# KiCad board Mun.kicad_pcb (continued)
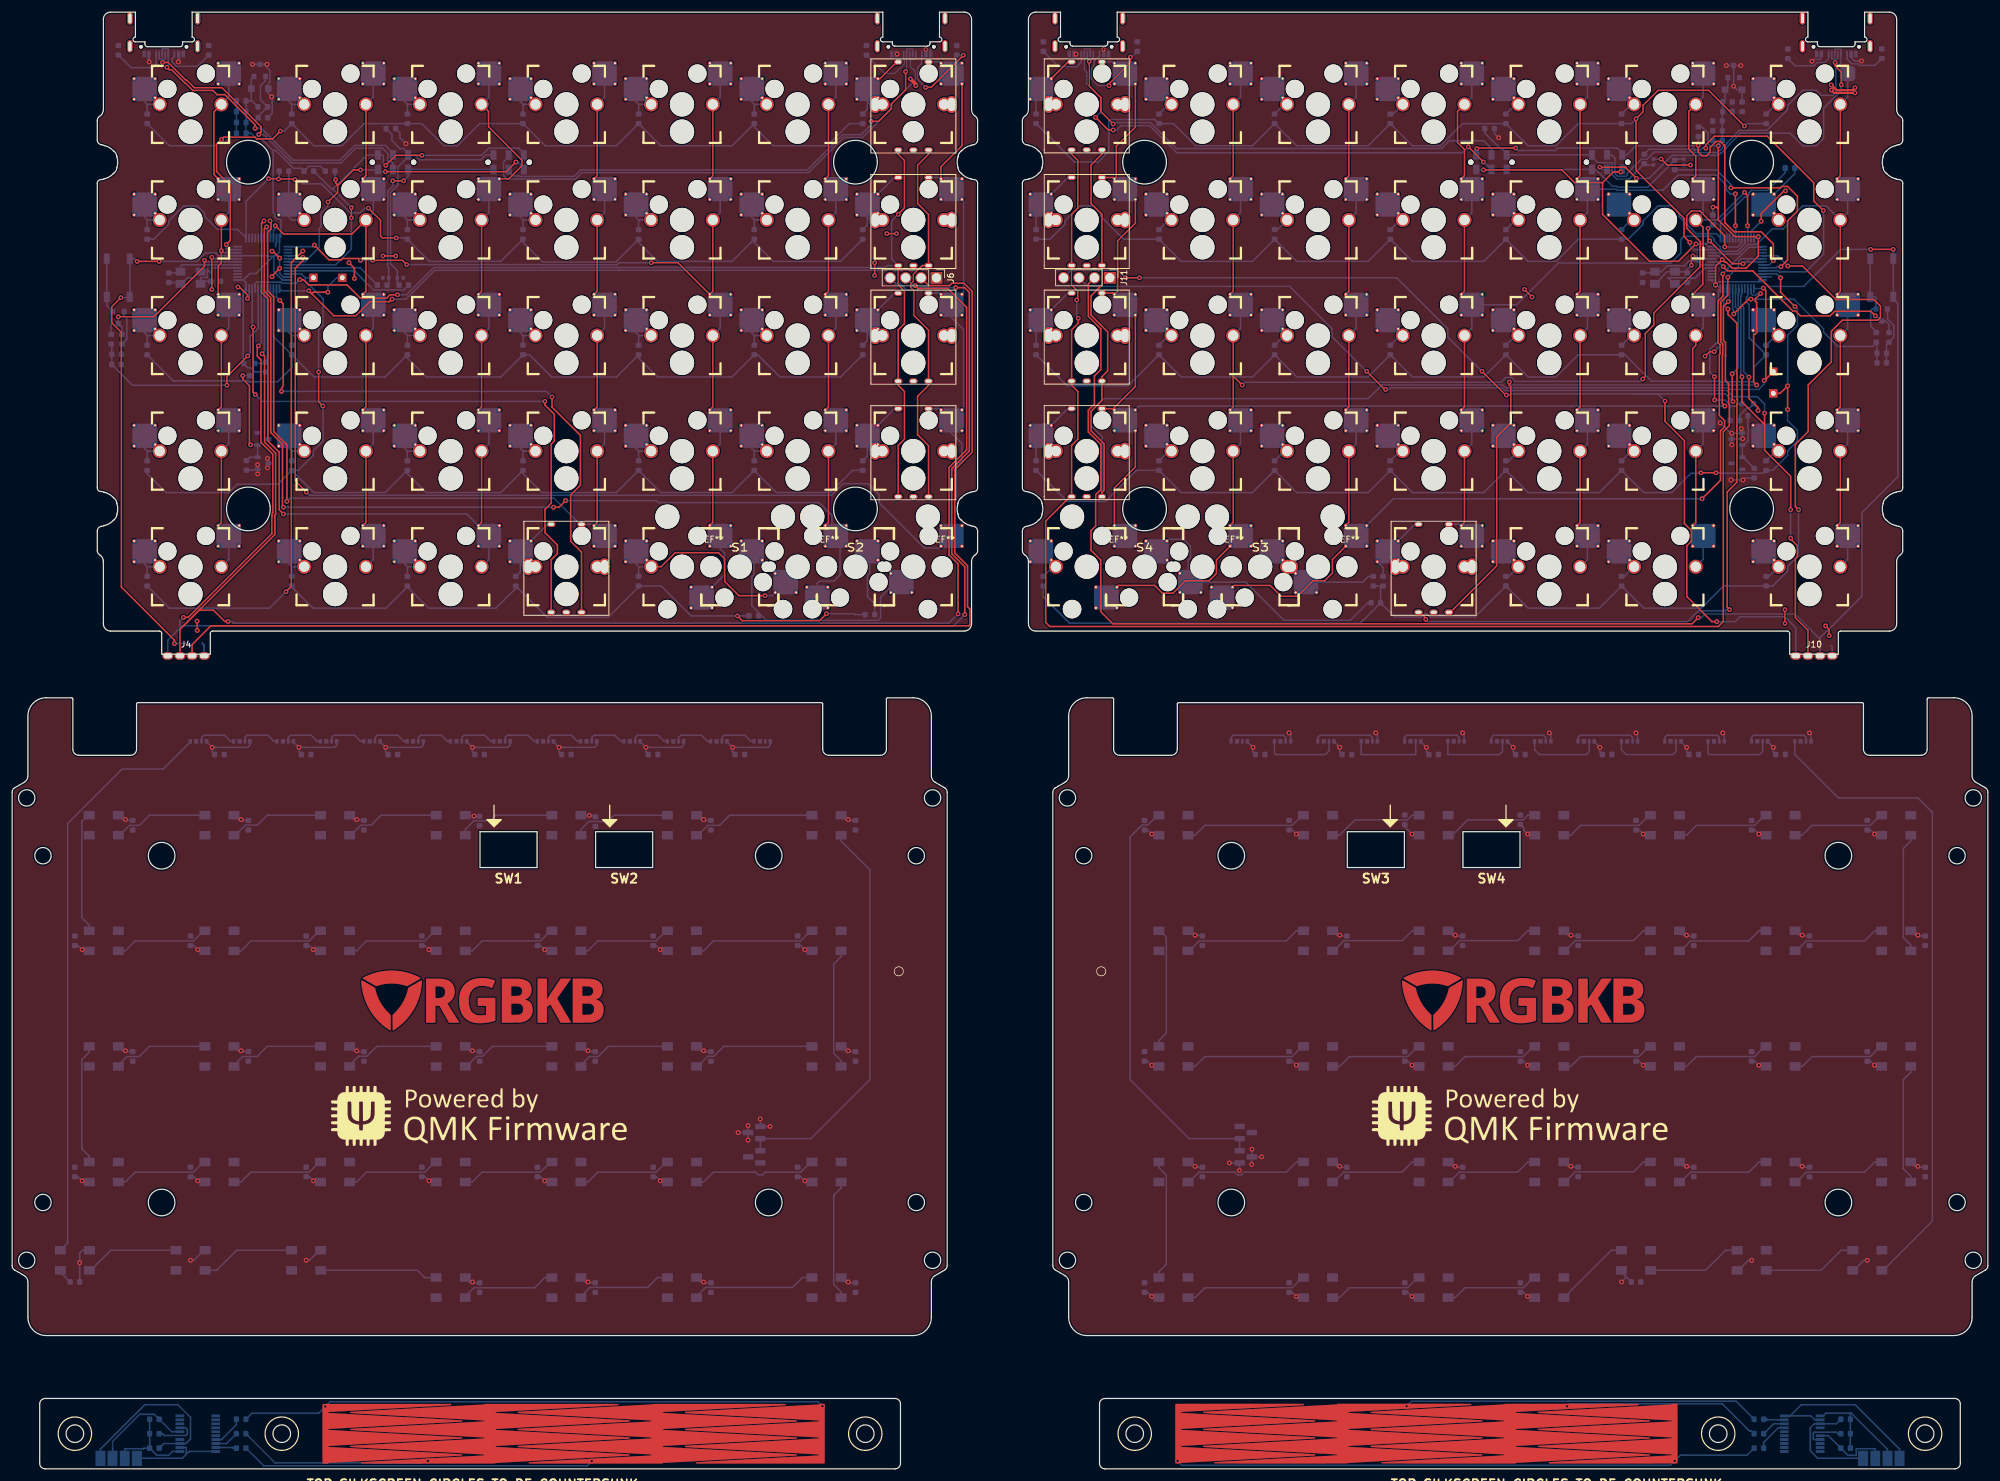
[diagram p0: board, top side]
## Routing (per net, layer and track width the routed paths; a pad name or vN(x,y) marks a point on that pad's centre or on a via; arc(x,y) is an arc through that point) (continued)
/k69R: length 46.7
  Bottom w0.25: K69.1 190.51,153.21 192.97,153.21 194.11,152.07 194.11,150.14 193.76,149.79 193.76,146.49 K74.1 203.22,146.14 209.51,139.84 220.44,139.84 223.32,142.72 223.86,142.72
/RGBL_3.3V: length 14.5
  Bottom w0.25: 41.29,182.18 42.04,182.93 U2.41 ; 41.29,182.18 41.47,182.36 R31.2 ; 41.29,182.18 Q3.2
/RGBLI: length 66.3
  Bottom w0.25: J7.4 J7.3 131.59,54.43 141.31,64.14 141.31,98.73 136.56,103.48 LED1.4
/RGBLO: length 18.3
  Top w0.25: v1(39.29,168.78) 39.09,168.98 39.09,178.51 37.99,179.61 v1(37.99,180.18)
  Bottom w0.25: Q3.3 v1(37.99,180.18) ; v1(39.29,168.78) 40.39,168.78 J5.4 J5.3 39.15,166.72 R32.2
/RGBR_3.3V: length 26.7
  Top w0.25: v1(287.61,174.43) 287.61,174.93 286.11,176.43 v1(286.11,179.93)
  Bottom w0.25: v1(287.61,174.43) 287.61,174.83 Q4.2 286.89,175.5 286.24,174.85 285.8,174.85 284.57,173.62 R33.2 ; v1(286.11,179.93) 285.24,180.79 285.24,191.4 284.79,191.86 284.79,193.3 284.83,193.35 284.83,193.48 284.93,193.58 U4.41
/RGBRI: length 70.3
  Bottom w0.25: J13.3 J13.4 193.88,54.43 184.17,64.14 184.17,104.15 186.12,106.1 187.09,106.1 188.71,107.73 188.91,107.73
/RGBRO: length 10.1
  Bottom w0.25: Q4.3 285.94,171.63 285.99,171.58 285.99,169.48 285.23,168.73 J12.3 J12.4 285.15,166.73 R34.2
/row0L: length 158
  Top w0.25: v1(44.19,220.48) 42.89,219.18 40.28,219.18 39.99,219.47 34.89,219.47 v1(34.49,219.08) 33.69,218.28 33.69,213.8 35.94,211.54 35.94,202.43 v1(35.29,201.78)
  Bottom w0.25: v1(44.19,220.48) 44.82,220.48 D2.1 49.71,218.05 54.32,218.05 57.97,221.71 D3.1 67.48,221.71 71.13,218.05 73.37,218.05 77.02,221.71 D4.1 87.81,218.05 99.55,218.05 D5.1 106.86,218.05 118.6,218.05 D6.1 122.26,221.17 125.37,218.05 134.26,218.05 137.92,221.71 D7.1 ; v1(35.29,201.78) 35.29,201.21 35.56,200.93 U2.11 ; v1(34.49,219.08) 33.46,218.05 25.9,218.05 D1.1
/row0R: length 175.1
  Top w0.25: v1(285.37,221.3) 279.48,227.19 271.16,227.19 268.67,224.7 268.67,223.65 v1(267.51,222.49) 267.51,214.02 275.43,206.1 275.43,203.08 v1(276.39,202.12)
  Bottom w0.25: U4.11 277.01,200.93 276.39,201.56 v1(276.39,202.12) ; v1(267.51,222.49) 266.73,221.71 D37.1 258,221.71 254.34,218.05 249.74,218.05 D38.1 238.95,221.71 235.29,218.05 230.69,218.05 D39.1 223.37,218.05 211.64,218.05 D40.1 204.32,218.05 194.96,218.05 191.3,221.71 D41.1 188.26,222.38 180.81,222.38 180.66,222.22 180.66,217.17 178.87,215.38 175.02,215.38 D42.1 ; D36.1 285.78,221.71 v1(285.37,221.3)
/row1L: length 151.4
  Top w0.25: v1(46.59,212.48) 46.49,212.58 v1(43.89,212.58) 43.84,212.62 v1(42.23,212.62) ; v1(58.69,207.78) 60.69,205.78 60.69,203.18 60.99,202.88 v1(63.29,202.88)
  Bottom w0.25: v1(63.29,202.88) 64.89,202.88 D10.1 68.76,199 80.5,199 D11.1 84.16,202.12 87.4,198.88 99.42,198.88 D12.1 103.21,202.12 106.32,199 118.6,199 D13.1 122.26,202.12 125.37,199 136.46,199 D14.1 ; v1(58.69,207.78) 58.12,207.78 57.35,207 55.73,207 50.95,211.78 47.85,211.78 47.15,212.48 v1(46.59,212.48) ; v1(43.89,212.58) 44,212.69 D9.1 ; v1(42.23,212.62) 38.54,208.93 U2.13 37.11,204.28 33.83,204.28 31.71,206.4 31.71,206.94 30.5,208.14 28.27,208.14 25.78,205.65 25.78,205.12 23.32,202.66 D8.1
/row1R: length 152.8
  Bottom w0.25: D43.1 292.1,213.62 289.17,210.69 286.5,210.69 286.11,210.3 286.11,210.03 285.73,209.65 285.46,209.65 281.43,205.62 U4.13 280.7,203.58 277.42,203.58 274.59,206.4 274.59,206.94 273.39,208.14 271.16,208.14 268.67,205.65 268.67,205.12 266.21,202.66 D44.1 258,202.66 254.34,199 249.74,199 D45.1 242.42,199 230.69,199 D46.1 223.37,199 211.64,199 D47.1 204.32,199 192.59,199 D48.1 183.09,202.66 179.34,206.4 179.34,206.94 178.14,208.14 175.91,208.14 173.42,205.65 173.42,205.12 170.96,202.66 D49.1
/row2L: length 150.7
  Bottom w0.25: U2.39 43.04,186.62 D16.1 ; D16.1 46.06,181.48 43.73,179.15 38.92,179.15 38.77,179.3 26.55,179.3 D15.1 ; D16.1 49.71,179.95 61.45,179.95 D17.1 65.11,183.07 68.22,179.95 80.5,179.95 D18.1 85.23,183.61 88.89,179.95 99.55,179.95 D19.1 103.21,183.07 106.32,179.95 118.6,179.95 D20.1 122.83,183.61 126.49,179.95 136.46,179.95 D21.1
/row2R: length 153.9
  Bottom w0.25: U4.39 285.93,193.31 285.73,193.11 285.73,192.97 285.69,192.93 285.69,192.31 286.14,191.85 286.14,186.4 D50.1 286.91,181.57 286.91,179.45 286.62,179.15 281.46,179.15 281.36,179.25 270.06,179.25 265.71,183.61 D51.1 258,183.61 254.34,179.95 249.74,179.95 D52.1 242.42,179.95 230.69,179.95 D53.1 223.37,179.95 211.64,179.95 D54.1 204.32,179.95 192.59,179.95 D55.1 183.82,178.5 173.8,178.5 D56.1
/row3L: length 177.8
  Top w0.25: v1(51.19,175.18) 50.49,175.88 v1(50.49,180.78)
  Bottom w0.25: D23.1 47.13,164.56 49.6,167.02 49.6,167.77 51.21,169.39 51.21,175.15 v1(51.19,175.18) ; D23.1 49.71,160.9 61.45,160.9 D24.1 65.11,164.02 68.22,160.9 80.5,160.9 D25.1 84.16,164.02 87.27,160.9 99.55,160.9 D26.1 106.86,160.9 118.6,160.9 D27.1 125.91,160.9 134.77,160.9 138.43,164.56 D28.1 ; D23.1 43.77,162.28 37.07,162.28 35.7,160.9 25.36,160.9 22.24,164.02 D22.1 ; 48.28,196.32 48.3,196.3 J20.1 ; 48.28,196.32 47.67,196.93 U2.34 ; 48.28,196.32 48.28,195.78 51.21,192.85 51.21,188.44 50.49,187.71 v1(50.49,180.78)
/row3R: length 182.8
  Top w0.25: v1(291.33,196.3) 291.33,193.92 v1(293.71,191.54) ; J19.1 291.26,177.25 v1(292.49,178.48) v1(292.49,174.58) ; v1(278.19,164.18) v1(280.69,164.18)
  Bottom w0.25: v1(292.49,174.58) 292.48,174.57 292.48,172.76 294.1,171.14 294.1,169.39 292.48,167.77 292.48,167.02 290.02,164.56 D57.1 288.48,164.09 281.33,164.09 281.25,164.18 v1(280.69,164.18) ; U4.34 290.69,196.93 v1(291.33,196.3) ; v1(278.19,164.18) 278.11,164.09 276.58,164.09 273.39,160.9 268.79,160.9 D58.1 261.47,160.9 249.74,160.9 D59.1 242.42,160.9 230.69,160.9 D60.1 223.37,160.9 211.64,160.9 D61.1 204.32,160.9 192.59,160.9 D62.1 185.2,164.56 180.1,159.45 173.8,159.45 D63.1 ; v1(292.49,178.48) 292.49,186.82 292.48,186.82 294.1,188.44 294.1,191.14 v1(293.71,191.54)
/row4L: length 196.4
  Top w0.25: v1(134.16,140.94) 133.01,139.79 120.27,139.79 v1(119.48,140.58) ; v1(47.89,200.71) 45.99,198.81 45.99,145.44 v1(45.11,144.56)
  Bottom w0.25: D33.1 106.93,145.51 111.86,140.58 v1(119.48,140.58) D34.1 ; v1(47.89,200.71) 47.11,199.93 U2.28 ; 83.26,145.1 82.96,145.1 79.71,141.85 68.61,141.85 65.11,145.36 61.6,141.85 49.56,141.85 46.06,145.36 ; D30.1 v1(45.11,144.56) 42.4,141.85 25.9,141.85 D29.1 ; v1(134.16,140.94) 138.73,140.94 138.89,140.78 D35.1 ; D32.1 88.13,140.34 98.19,140.34 103.21,145.36
/row4R: length 219.4
  Top w0.25: v1(292.52,198.24) 294.95,198.24 300.45,192.73 306.68,192.73 307.79,191.63 307.79,189.78 307.31,189.3 301.51,189.3 299.69,187.48 299.69,182.44 295.89,178.63 295.89,170.96 293.76,168.83 293.76,158.6 v1(294.29,158.08)
  Bottom w0.25: D68.1 D67.1 225.44,145.1 D69.1 ; D69.1 227.76,140.4 232.25,140.4 232.7,140.85 233.15,140.85 233.6,140.4 240.97,140.4 D66.1 249.74,141.85 261.47,141.85 D65.1 268.79,141.85 278.29,141.85 281.94,145.51 D64.1 290.02,145.51 292.48,147.97 292.48,148.72 294.29,150.52 v1(294.29,158.08) ; D69.1 222.11,139.39 174.17,139.39 169.88,143.68 D70.1 ; v1(292.52,198.24) 290.83,199.93 U4.28
/SCL1L_3.3V: length 263.3
  Top w0.25: v1(41.19,183.78) 41.59,183.38 41.59,169.21 43.4,167.39 43.4,157.32 43.29,157.21 43.29,154 28.18,138.89 ; v1(155.82,140.9) 155.82,149.13 154.34,150.62 154.34,165.05 157.24,167.95 157.24,191.4 154.1,194.54 149.22,194.54 v1(148.76,195.01) ; 28.18,138.89 27.64,138.35 27.64,133.48 ; 28.18,138.89 30.8,141.52 33.17,141.52 35.02,139.66 v1(35.59,139.66)
  Bottom w0.25: v1(41.19,183.78) 41.54,184.13 U2.42 ; v1(148.76,195.01) 148.48,195.01 J6.3 ; v1(155.82,140.9) 154.31,139.39 36.43,139.39 36.15,139.66 v1(35.59,139.66)
/SCL1R_3.3V: length 192.4
  Top w0.25: 288.69,172.08 v1(288.69,173.98) ; 288.69,172.08 288.69,172.1 284.96,175.83 v1(284.96,179.98) ; 288.69,172.08 288.69,167.86 292.99,163.56 v1(292.99,158.08) ; 295.83,133.48 295.83,138.22 293.76,140.29 293.76,150 294.1,150.34 294.1,152.16 292.99,153.28 ; v1(223.14,180.88) 226.11,177.9 v1(226.27,177.9) ; 292.99,153.28 293.19,153.08 ; 292.99,153.28 v1(292.99,153.38)
  Bottom w0.25: J11.3 177.18,194.88 210.46,194.88 217.44,187.89 217.44,186.57 v1(223.14,180.88) ; v1(226.27,177.9) 226.84,177.9 227.11,178.17 245.38,178.17 245.85,177.7 247.17,177.7 247.2,177.72 282.51,177.72 283.53,176.71 287.49,176.71 288.69,175.51 v1(288.69,173.98) ; v1(292.99,158.08) v1(292.99,153.38) ; U4.42 284.43,193.72 284.38,193.67 284.38,193.53 284.34,193.49 284.34,191.68 284.79,191.22 284.79,180.14 v1(284.96,179.98)
/SCL2L: length 53.4
  Top w0.25: 53.61,211.48 56.21,214.08 v1(57.39,214.08) ; 53.61,211.48 53.49,211.6 53.49,211.71 53.29,211.91 v1(53.29,212.48) ; 53.61,211.48 53.61,210.37 v1(52.03,208.79) ; v1(61.49,213.78) 81.39,213.78 v1(82.99,215.38)
  Bottom w0.25: v1(61.49,213.78) 60.61,213.78 SW2.1 60.18,214.08 v1(57.39,214.08) ; v1(53.29,212.48) 53.17,212.59 R27.1 ; v1(52.03,208.79) 52.03,208.09 50.88,206.94 50.88,204.71 50.59,204.42 50.59,201.3 48.22,198.93 U2.30 ; v1(82.99,215.38) 83.36,215.38 84.29,214.44 SW1.3
/SCL2R: length 67.1
  Top w0.25: v1(265.01,213.75) 263.76,213.75 261.99,211.98 ; 261.99,211.98 261.99,206.73 269.73,199 274.51,199 v1(277.39,201.88) ; 261.99,211.98 257.39,211.98 255.3,214.08 v1(242.39,214.08) ; v1(285.14,198.63) 283.39,198.63 v1(279.64,202.38) 279.39,202.63 v1(279.39,204.43)
  Bottom w0.25: 241.2,214.15 241.27,214.08 v1(242.39,214.08) ; v1(265.01,213.75) 265.01,214.12 265.04,214.15 265.25,214.15 ; U4.30 285.44,198.93 v1(285.14,198.63) ; v1(279.64,202.38) 279.14,201.88 v1(277.39,201.88) ; R35.1 280,205.04 v1(279.39,204.43)
/SCL-TBL: length 16.9
  Bottom w0.25: J15.3 16.55,4.52 21.01,8.98 23.42,8.98 R21.1 26.28,6.12 J17.16
/SCL-TBR: length 13
  Bottom w0.25: J16.3 306.93,3.24 306.85,3.32 303.84,3.32 303.78,3.25 303.78,2.23 302.44,2.23 R22.1 299.2,5.47 J18.16
/SDA1L_3.3V: length 269.7
  Top w0.25: v1(28.21,140.33) 28.98,140.33 42.79,154.13 42.79,157.1 42.79,157.1 42.89,157.56 42.94,157.61 42.94,167.22 40.99,169.18 40.99,182.78 40.39,183.38 40.39,184.88 v1(40.59,185.08) ; v1(156.94,140.78) 156.94,148.66 154.79,150.81 154.79,164.86 157.69,167.76 157.69,193.89 156.9,194.67 v1(155.44,194.67)
  Bottom w0.25: 27.62,138.54 27.62,139.73 v1(28.21,140.33) ; 27.62,138.54 28.01,138.94 155.09,138.94 v1(156.94,140.78) ; 27.62,138.54 25.64,136.57 25.64,133.48 ; J6.4 145.61,195.34 146.26,195.34 147.32,194.28 149.1,194.28 149.5,194.67 v1(155.44,194.67) ; v1(40.59,185.08) 41.04,185.53 U2.43
/SDA1R_3.3V: length 205.7
  Top w0.25: v1(242.14,180.88) 246.04,176.97 v1(246.16,176.97) ; v1(283.36,180.48) 283.36,176.03 v1(283.49,175.9) ; 280.8,139.63 280.01,139.63 275.88,143.75 275.88,152.12 276.64,152.88 276.64,154.63 275.49,155.78 275.49,169.43 272.29,172.63 v1(272.29,175.98) ; v1(183.41,196.3) v1(185.71,196.3)
  Bottom w0.2: v1(183.41,196.3) 182.16,197.55 174.46,197.55 J11.4
  Bottom w0.25: U4.43 283.93,193.72 283.89,193.68 283.89,191.49 284.34,191.03 284.34,181.46 v1(283.36,180.48) ; v1(283.49,175.9) 282.22,177.17 267.29,177.17 ; 267.29,177.17 246.92,177.17 246.73,176.97 v1(246.16,176.97) ; 267.29,177.17 271.09,177.17 v1(272.29,175.98) ; v1(185.71,196.3) 228.08,196.3 236.49,187.89 236.49,186.52 v1(242.14,180.88) ; 293.83,133.48 293.83,138.62 292.01,140.44 284.67,140.44 283.85,139.62 v1(280.81,139.62)
/SDA2L: length 64.2
  Top w0.25: v1(55.89,207.88) v1(55.89,206.18) ; v1(67.49,216.48) 63.2,216.48 v1(61.55,214.83)
  Bottom w0.25: R28.1 52.67,210.88 52.89,210.88 ; 52.89,210.88 52.89,210.98 58.45,216.54 SW2.4 60.99,216.54 61.15,216.38 61.15,215.23 v1(61.55,214.83) ; 52.89,210.88 v1(55.89,207.88) ; v1(67.49,216.48) 77.35,216.48 78.53,217.66 83.47,217.66 84.29,216.84 SW1.6 84.23,216.48 ; v1(55.89,206.18) 55.89,201.01 53.31,198.43 U2.31
/SDA2R: length 75.4
  Top w0.25: v1(247.69,217.68) 241.39,217.68 v1(241.29,217.58) ; v1(277.77,218.11) 277.77,217.03 278.42,216.38 279.14,216.38 279.72,216.96 279.72,217.78 280.72,218.77 281.41,218.77 282.14,218.05 282.14,205.38 283.64,203.88 288.14,203.88 290.14,201.88 v1(290.14,199.13)
  Bottom w0.25: R36.1 277.79,218.13 v1(277.77,218.11) 277.2,218.11 277.14,218.04 267.49,218.04 266,216.55 SW5.6 265.25,216.85 264.42,217.68 254.6,217.68 254.2,217.28 248.09,217.28 v1(247.69,217.68) ; U4.31 289.44,198.43 v1(290.14,199.13) ; v1(241.29,217.58) 241.29,216.64 SW6.4 241.2,216.85
/SDA-TBL: length 29.6
  Bottom w0.25: R23.1 24.98,4.17 J17.13 28.6,4.17 29.39,4.96 29.39,8.5 27.32,10.56 21.87,10.56 14.55,3.24 J15.4
/SDA-TBR: length 18.6
  Bottom w0.25: J16.4 297.45,1.74 296.23,2.96 296.23,6.78 296.87,7.42 J18.13 300.5,7.42 R25.1
/XTAL1L: length 11.7
  Bottom w0.25: C8.1 31.44,195.7 Y1.3 ; 31.21,195.3 Y1.3 ; Y1.3 31.04,196.23 31.14,196.32 32.1,196.32 32.16,196.39 32.16,197.7 32.84,197.02 32.84,197.93 32.84,197.93 U2.5
/XTAL1R: length 10.9
  Bottom w0.25: Y2.3 273.77,195.3 272.77,196.3 277.04,196.3 ; 277.04,196.3 277.29,196.3 278.92,197.93 U4.5 ; 277.04,196.3 276.73,196.3 C62.1
/XTAL2L: length 12.4
  Bottom w0.25: U2.6 27.97,198.43 27.74,198.2 Y1.1 27.52,197.09 C7.1
/XTAL2R: length 12.5
  Bottom w0.25: C61.1 270.41,197.09 270.62,197.3 271.67,197.3 272.65,198.28 275.46,198.28 276.29,199.1 277.59,199.1 278.26,198.43 U4.6
Net-(C9-Pad1): length 27.3
  Top w0.25: v1(31.69,199.18) 31.69,198.21 23.35,189.88 v1(17.49,189.88)
  Bottom w0.25: v1(17.49,189.88) 17.49,188.75 Q1.3 18.09,188.14 C9.1 ; U2.7 31.93,198.93 v1(31.69,199.18)
Net-(C10-Pad1): length 41.9
  Top w0.25: v1(35.39,178.58) 35.39,180.01 v1(38.8,183.43)
  Bottom w0.25: U2.44 40.54,188 39.2,186.66 39.2,183.82 v1(38.8,183.43) ; D71.1 16.42,185.27 R5.2 19.84,178.58 v1(35.39,178.58)
Net-(C53-Pad1): length 35.4
  Top w0.25: v1(306.94,190.03) 306.18,190.78 300.25,190.78 299.5,190.03 294.59,190.03 293.81,190.81 293.36,190.81 286.75,197.42 282.59,197.42 v1(281.89,198.13)
  Bottom w0.25: C53.1 309.18,188.61 308.64,189.15 Q2.3 307.12,190.03 v1(306.94,190.03) ; v1(281.89,198.13) 281.49,198.52 281.39,198.52 280.99,198.93 U4.7
Net-(C56-Pad1): length 36.1
  Top w0.25: v1(286.44,192.78) 286.06,192.78 v1(283.62,190.34)
  Bottom w0.25: v1(283.62,190.34) 283.62,190.9 283.44,191.08 283.44,193.68 283.43,193.68 U4.44 ; 307.21,185.27 307.04,185.44 ; C56.1 R12.2 307.2,185.43 307.09,185.54 306.53,184.98 300.78,184.98 298.41,187.35 298.41,187.89 293.52,192.78 v1(286.44,192.78) ; 307.2,183.52 307.21,183.53
Net-(D1-Pad2): length 6.2
  Bottom w0.25: 22.27,224.88 21.83,225.32 K1.1 ; 22.27,224.88 K1.1 ; 22.27,224.88 22.24,224.85 22.24,223.43
Net-(D2-Pad2): length 6.2
  Bottom w0.25: K2.1 45.64,225.32 46.08,224.88 ; K2.1 46.08,224.88 ; 46.08,224.88 46.06,224.85 46.06,223.43
Net-(D3-Pad2): length 7.6
  Top w0.25: K3.1 67.17,225.23 K3.1
  Bottom w0.25: 65.13,224.88 K3.1 ; 65.13,224.88 64.69,225.32 K3.1 ; 65.13,224.88 65.11,224.85 65.11,223.43
Net-(D4-Pad2): length 6.2
  Bottom w0.25: 84.18,224.88 83.74,225.32 K4.1 ; 84.18,224.88 84.16,224.85 84.16,223.43 ; 84.18,224.88 K4.1
Net-(D5-Pad2): length 6.2
  Bottom w0.25: 103.21,223.43 103.21,224.85 103.23,224.88 ; 103.23,224.88 K5.1 ; 103.23,224.88 102.79,225.32 K5.1
Net-(D6-Pad2): length 6.2
  Bottom w0.25: K6.1 121.84,225.32 122.28,224.88 ; 122.26,223.43 122.26,224.85 122.28,224.88 ; 122.28,224.88 K6.1
Net-(D8-Pad2): length 6.2
  Bottom w0.25: K8.1 22.27,205.82 ; 22.24,204.38 22.24,205.8 22.27,205.82 ; 22.27,205.82 21.83,206.26 K8.1
Net-(D9-Pad2): length 11.2
  Bottom w0.25: K9.1 46.59,208.36 ; K9.1 45.57,208.43 D9.2 ; K9.1 45.64,206.26 46.08,205.82 K9.1
Net-(D10-Pad2): length 6.2
  Bottom w0.25: 65.13,205.82 65.11,205.8 65.11,204.38 ; 65.13,205.82 64.69,206.26 K10.1 ; 65.13,205.82 K10.1
Net-(D11-Pad2): length 6.2
  Bottom w0.25: 84.16,204.38 84.16,205.82 ; K11.1 83.74,206.26 84.18,205.82 K11.1
Net-(D12-Pad2): length 6.2
  Bottom w0.25: 103.23,205.82 103.21,205.8 103.21,204.38 ; 103.23,205.82 K12.1 ; 103.23,205.82 102.79,206.26 K12.1
Net-(D13-Pad2): length 6.2
  Bottom w0.25: K13.1 121.84,206.26 122.28,205.82 ; 122.28,205.82 K13.1 ; 122.28,205.82 122.26,205.8 122.26,204.38
Net-(D15-Pad2): length 6.2
  Bottom w0.25: K15.1 21.83,187.21 22.27,186.77 K15.1 ; 22.24,185.33 22.24,186.77
Net-(D16-Pad2): length 6.2
  Bottom w0.25: 46.08,186.77 46.06,186.75 46.06,185.33 ; 46.08,186.77 45.64,187.21 K16.1 ; 46.08,186.77 K16.1
Net-(D17-Pad2): length 6.2
  Bottom w0.25: 65.11,185.33 65.11,186.75 65.13,186.77 ; 65.13,186.77 K17.1 ; 65.13,186.77 64.69,187.21 K17.1
Net-(D18-Pad2): length 6.2
  Bottom w0.25: 84.18,186.77 84.16,186.75 84.16,185.33 ; 84.18,186.77 K18.1 ; 84.18,186.77 83.74,187.21 K18.1
Net-(D19-Pad2): length 6.2
  Bottom w0.25: 103.21,185.33 103.21,186.77 ; K19.1 103.23,186.77 102.79,187.21 K19.1
Net-(D20-Pad2): length 6.2
  Bottom w0.25: 122.26,185.33 122.26,186.75 122.28,186.77 ; 122.28,186.77 K20.1 ; 122.28,186.77 121.84,187.21 K20.1
Net-(D22-Pad2): length 6.2
  Bottom w0.25: 22.27,167.72 22.24,167.7 22.24,166.28 ; 22.27,167.72 K22.1 ; 22.27,167.72 21.83,168.16 K22.1
Net-(D23-Pad2): length 6.2
  Bottom w0.25: 46.08,167.72 45.64,168.16 K23.1 ; 46.08,167.72 46.06,167.7 46.06,166.28 ; 46.08,167.72 K23.1
Net-(D24-Pad2): length 6.2
  Bottom w0.25: K24.1 64.69,168.16 65.13,167.72 ; 65.11,166.28 65.11,167.7 65.13,167.72 ; 65.13,167.72 K24.1
Net-(D25-Pad2): length 6.2
  Bottom w0.25: 84.18,167.72 84.16,167.7 84.16,166.28 ; 84.18,167.72 83.74,168.16 K25.1 ; 84.18,167.72 K25.1
Net-(D26-Pad2): length 6.2
  Bottom w0.25: 103.23,167.72 103.21,167.7 103.21,166.28 ; 103.23,167.72 102.79,168.16 K26.1 ; 103.23,167.72 K26.1
Net-(D27-Pad2): length 6.2
  Bottom w0.25: 122.26,166.28 122.26,167.72 ; K27.1 122.28,167.72 121.84,168.16 K27.1
Net-(D29-Pad2): length 6.2
  Bottom w0.25: 22.24,147.23 22.24,148.65 22.27,148.67 ; 22.27,148.67 K29.1 ; 22.27,148.67 21.83,149.11 K29.1
Net-(D30-Pad2): length 6.2
  Bottom w0.25: K30.1 45.64,149.11 46.08,148.67 K30.1 ; 46.06,147.23 46.06,148.67
Net-(D31-Pad2): length 6.2
  Bottom w0.25: 65.13,148.67 K31.1 ; 65.13,148.67 65.11,148.65 65.11,147.23 ; 65.13,148.67 64.69,149.11 K31.1
Net-(D35-Pad2): length 11.2
  Bottom w0.25: K35.1 141.24,150.86 141.24,147.56 140.91,147.23 140.91,143.75 142.09,142.57 142.09,142.57 D35.2
Net-(D36-Pad2): length 6.3
  Bottom w0.25: K36.1 288.53,227.36 K36.1 290.54,224.88 D36.2
Net-(D37-Pad2): length 6.3
  Bottom w0.25: D37.2 266.72,224.88 K37.1 264.71,227.36 K37.1
Net-(D38-Pad2): length 6.3
  Bottom w0.25: K38.1 245.66,227.36 K38.1 247.67,224.88 D38.2
Net-(D39-Pad2): length 6.3
  Bottom w0.25: D39.2 227.5,223.28 K39.1 226.61,227.36 K39.1
Net-(D40-Pad2): length 6.3
  Bottom w0.25: D40.2 209.57,224.88 K40.1 207.56,227.36 K40.1
Net-(D41-Pad2): length 6.3
  Bottom w0.25: D41.2 190.52,224.88 K41.1 188.51,227.36 K41.1
Net-(D43-Pad2): length 9.8
  Bottom w0.25: K43.1 288.53,208.31 K43.1 290.54,205.83 ; D43.2 293.67,213.49 K43.1
Net-(D44-Pad2): length 6.3
  Bottom w0.25: D44.2 266.72,205.83 K44.1 264.71,208.31 K44.1
Net-(D45-Pad2): length 6.3
  Bottom w0.25: D45.2 247.67,205.83 K45.1 245.66,208.31 K45.1
Net-(D46-Pad2): length 6.3
  Bottom w0.25: D46.2 228.62,205.83 K46.1 226.61,208.31 K46.1
Net-(D47-Pad2): length 6.3
  Bottom w0.25: D47.2 208.45,204.23 K47.1 210.04,205.89 K47.1
Net-(D48-Pad2): length 6.3
  Bottom w0.25: K48.1 188.51,208.31 K48.1 190.52,205.83 D48.2
Net-(D50-Pad2): length 6.3
  Bottom w0.25: D50.2 290.54,186.78 K50.1 291.01,186.84 K50.1
Net-(D51-Pad2): length 6.3
  Bottom w0.25: D51.2 266.72,186.78 K51.1 264.71,189.26 K51.1
Net-(D52-Pad2): length 6.3
  Bottom w0.25: D52.2 247.67,186.78 K52.1 245.66,189.26 K52.1
Net-(D53-Pad2): length 6.3
  Bottom w0.25: D53.2 228.62,186.78 K53.1 226.61,189.26 K53.1
Net-(D54-Pad2): length 6.3
  Bottom w0.25: K54.1 207.56,189.26 K54.1 209.57,186.78 D54.2
Net-(D55-Pad2): length 6.3
  Bottom w0.25: D55.2 190.52,186.78 K55.1 188.51,189.26 K55.1
Net-(D57-Pad2): length 6.3
  Bottom w0.25: K57.1 288.53,170.21 K57.1 290.54,167.73 D57.2
Net-(D58-Pad2): length 6.3
  Bottom w0.25: K58.1 264.71,170.21 K58.1 266.72,167.73 D58.2
Net-(D59-Pad2): length 6.3
  Bottom w0.25: D59.2 246.55,166.13 K59.1 245.66,170.21 K59.1
Net-(D60-Pad2): length 6.3
  Bottom w0.25: D60.2 228.62,167.73 K60.1 226.61,170.21 K60.1
Net-(D61-Pad2): length 6.3
  Bottom w0.25: K61.1 207.56,170.21 K61.1 209.57,167.73 D61.2
Net-(D62-Pad2): length 6.3
  Bottom w0.25: D62.2 190.52,167.73 K62.1 188.51,170.21 K62.1
Net-(D64-Pad2): length 6.3
  Bottom w0.25: D64.2 289.41,147.08 K64.1 288.53,151.16 K64.1
Net-(D65-Pad2): length 6.3
  Bottom w0.25: K65.1 264.71,151.16 K65.1 265.6,147.08 D65.2
Net-(D66-Pad2): length 6.3
  Bottom w0.25: D66.2 246.55,147.08 K66.1 245.66,151.16 K66.1
Net-(D70-Pad2): length 6.3
  Bottom w0.25: D70.2 171.47,148.68 K70.1 169.46,151.16 K70.1
Net-(D71-Pad2): length 13
  Bottom w0.25: 15.6,199.44 15.6,191.74 16.55,190.79 Q1.1 16.31,190.5 D71.2
Net-(D72-Pad2): length 14.1
  Bottom w0.25: 307.04,187.46 307.09,187.41 306.16,188.34 306.16,190.91 306.39,191.15 Q2.1 307.04,192.95 306.84,193.15 SW4.2 SW4.2
Net-(J1-PadA5): length 9
  Bottom w0.25: J1.A5 23.72,231.47 23.19,230.94 19.57,230.94 R2.1
Net-(J1-PadB5): length 8.6
  Bottom w0.25: J1.B5 26.72,232.77 26.32,232.37 26.32,231.86 27.04,231.15 30.53,231.15 R1.2
Net-(J2-PadA5): length 9.8
  Bottom w0.2: R4.1 143.76,229.98 145.39,229.98 146.97,231.55 146.97,232.17 146.85,232.29 J2.A5
Net-(J2-PadB5): length 15.8
  Top w0.25: v1(150.49,227.68) 151.39,227.68 v1(156.69,232.98)
  Bottom w0.2: J2.B5 149.85,231.64 149.19,230.98 149.19,228.97 v1(150.49,227.68)
  Bottom w0.25: R3.2 156.66,233 v1(156.69,232.98)
Net-(J8-PadA5): length 8.9
  Bottom w0.25: R9.1 172.39,231.1 175.39,231.1 176.14,231.85 176.14,233.18
Net-(J8-PadB5): length 15.7
  Top w0.2: v1(184.24,232.68) 184.24,231.79 180.69,228.24 v1(180.69,227.98)
  Bottom w0.2: v1(184.24,232.68) 184.42,232.68 R8.2 ; v1(180.69,227.98) 178.88,227.98 177.76,229.09 177.76,230.49 177.86,230.58 177.86,230.83 178.19,231.16 178.19,231.92 179.12,232.86 J8.B5
Net-(J9-PadA5): length 8.5
  Bottom w0.2: 298.34,231.78 298.61,231.78 299.25,232.42 J9.A5
  Bottom w0.25: 298.34,231.78 297.36,231.78 296.83,231.25 293.69,231.25 R11.1
Net-(J9-PadB5): length 7.4
  Bottom w0.25: J9.B5 302.25,232.37 303.06,231.55 304.06,231.55 304.31,231.3 306.87,231.3 R10.2
Net-(J17-Pad7): length 5.3
  Bottom w0.25: J17.7 34.5,4.82 36.93,7.26 R19.1
Net-(J17-Pad8): length 4.1
  Bottom w0.25: J17.8 35.31,4.17 R17.1
Net-(J17-Pad9): length 3.5
  Bottom w0.25: R15.1 36.4,3.42 36.29,3.52 J17.9
Net-(J17-Pad17): length 7
  Bottom w0.25: R24.2 24.76,5.8 25.06,5.5 28.58,5.5 28.87,5.79 28.87,6.51 28.6,6.77 J17.17
Net-(J18-Pad7): length 5.3
  Bottom w0.25: R20.1 288.54,4.34 290.97,6.77 J18.7
Net-(J18-Pad8): length 4.1
  Bottom w0.25: R18.1 290.17,7.42 J18.8
Net-(J18-Pad9): length 3.5
  Bottom w0.25: R16.1 289.08,8.18 289.18,8.07 J18.9
Net-(J18-Pad17): length 6.8
  Bottom w0.25: J18.17 296.87,4.82 296.69,5.01 296.69,5.85 296.9,6.07 300.45,6.07 300.72,5.8 R26.2
Net-(LED1-Pad2): length 20.4
  Bottom w0.25: LED2.4 112.95,104.43 114.57,106.05 116.54,106.05 118.21,107.73 LED1.2
Net-(LED2-Pad2): length 16.4
  Bottom w0.25: LED2.2 99.16,107.73 98.14,106.7 95.02,106.7 93.7,105.38 LED3.4 93.9,104.43
Net-(LED3-Pad2): length 16.4
  Bottom w0.25: 74.85,104.43 LED4.4 74.65,105.38 76.07,106.8 78.69,106.8 79.62,107.73 LED3.2
Net-(LED4-Pad2): length 15.6
  Bottom w0.25: LED4.2 60.79,107.73 59.16,106.1 57.47,106.1 55.8,104.43 LED5.4
Net-(LED5-Pad2): length 15.6
  Bottom w0.25: LED6.4 36.75,104.43 38.42,106.1 40.39,106.1 42.01,107.73 LED5.2
Net-(LED6-Pad2): length 15.6
  Bottom w0.25: LED7.4 17.7,104.43 19.32,106.05 20.94,106.05 22.61,107.73 LED6.2
Net-(LED7-Pad2): length 20.2
  Bottom w0.25: LED7.2 12.5,107.73 11.47,106.7 11.47,90.85 12.7,89.63 LED8.4
Net-(LED8-Pad2): length 15.6
  Bottom w0.25: LED8.2 18.65,85.38 20.27,87 29.87,87 31.55,88.68 LED9.4
Net-(LED10-Pad2): length 15.6
  Bottom w0.25: LED10.2 56.75,85.38 58.37,87 67.97,87 69.65,88.68 LED11.4
Net-(LED10-Pad4): length 15.6
  Bottom w0.25: LED9.2 37.7,85.38 39.32,87 48.92,87 50.6,88.68 LED10.4
Net-(LED11-Pad2): length 15.6
  Bottom w0.25: LED11.2 75.8,85.38 77.42,87 87.02,87 88.7,88.68 LED12.4
Net-(LED12-Pad2): length 15.6
  Bottom w0.25: LED12.2 94.85,85.38 96.47,87 106.07,87 107.75,88.68 LED13.4
Net-(LED13-Pad2): length 20.4
  Bottom w0.25: LED13.2 113.9,85.38 115.52,87 129.89,87 131.56,88.68 LED14.4
Net-(LED14-Pad2): length 20.1
  Bottom w0.25: LED14.2 136.56,84.43 135.34,83.2 135.34,68.5 136.56,67.28 LED15.4
Net-(LED15-Pad2): length 20.4
  Bottom w0.25: LED16.4 112.95,66.33 114.62,68 115.59,68 117.22,69.63 LED15.2
Net-(LED16-Pad2): length 15.6
  Bottom w0.25: 93.68,66.52 95.11,67.95 96.54,67.95 98.22,69.63 LED16.2
Net-(LED17-Pad2): length 15.6
  Bottom w0.25: LED18.4 74.85,66.33 76.52,68 77.49,68 79.12,69.63 LED17.2
Net-(LED18-Pad2): length 15.6
  Bottom w0.25: LED18.2 60.07,69.63 58.44,68 57.06,68 55.58,66.52
Net-(LED19-Pad2): length 15.6
  Bottom w0.25: LED19.2 42.01,69.63 40.34,67.95 37.96,67.95 36.53,66.52
Net-(LED20-Pad2): length 15.6
  Bottom w0.25: LED20.2 22.61,69.63 20.94,67.95 18.91,67.95 17.48,66.52
Net-(LED21-Pad2): length 20.1
  Bottom w0.25: LED22.4 12.7,51.53 11.47,52.75 11.47,67.45 12.7,68.68 LED21.2
Net-(LED22-Pad2): length 15.6
  Bottom w0.25: LED22.2 18.65,47.28 20.27,48.9 29.87,48.9 31.55,50.58 LED23.4
Net-(LED23-Pad2): length 15.6
  Bottom w0.25: LED23.2 37.7,47.28 39.32,48.9 48.92,48.9 50.6,50.58 LED24.4
